# Altium PCB TIDA-010933-RevA.PcbDoc (part 1 of 9) (continued)
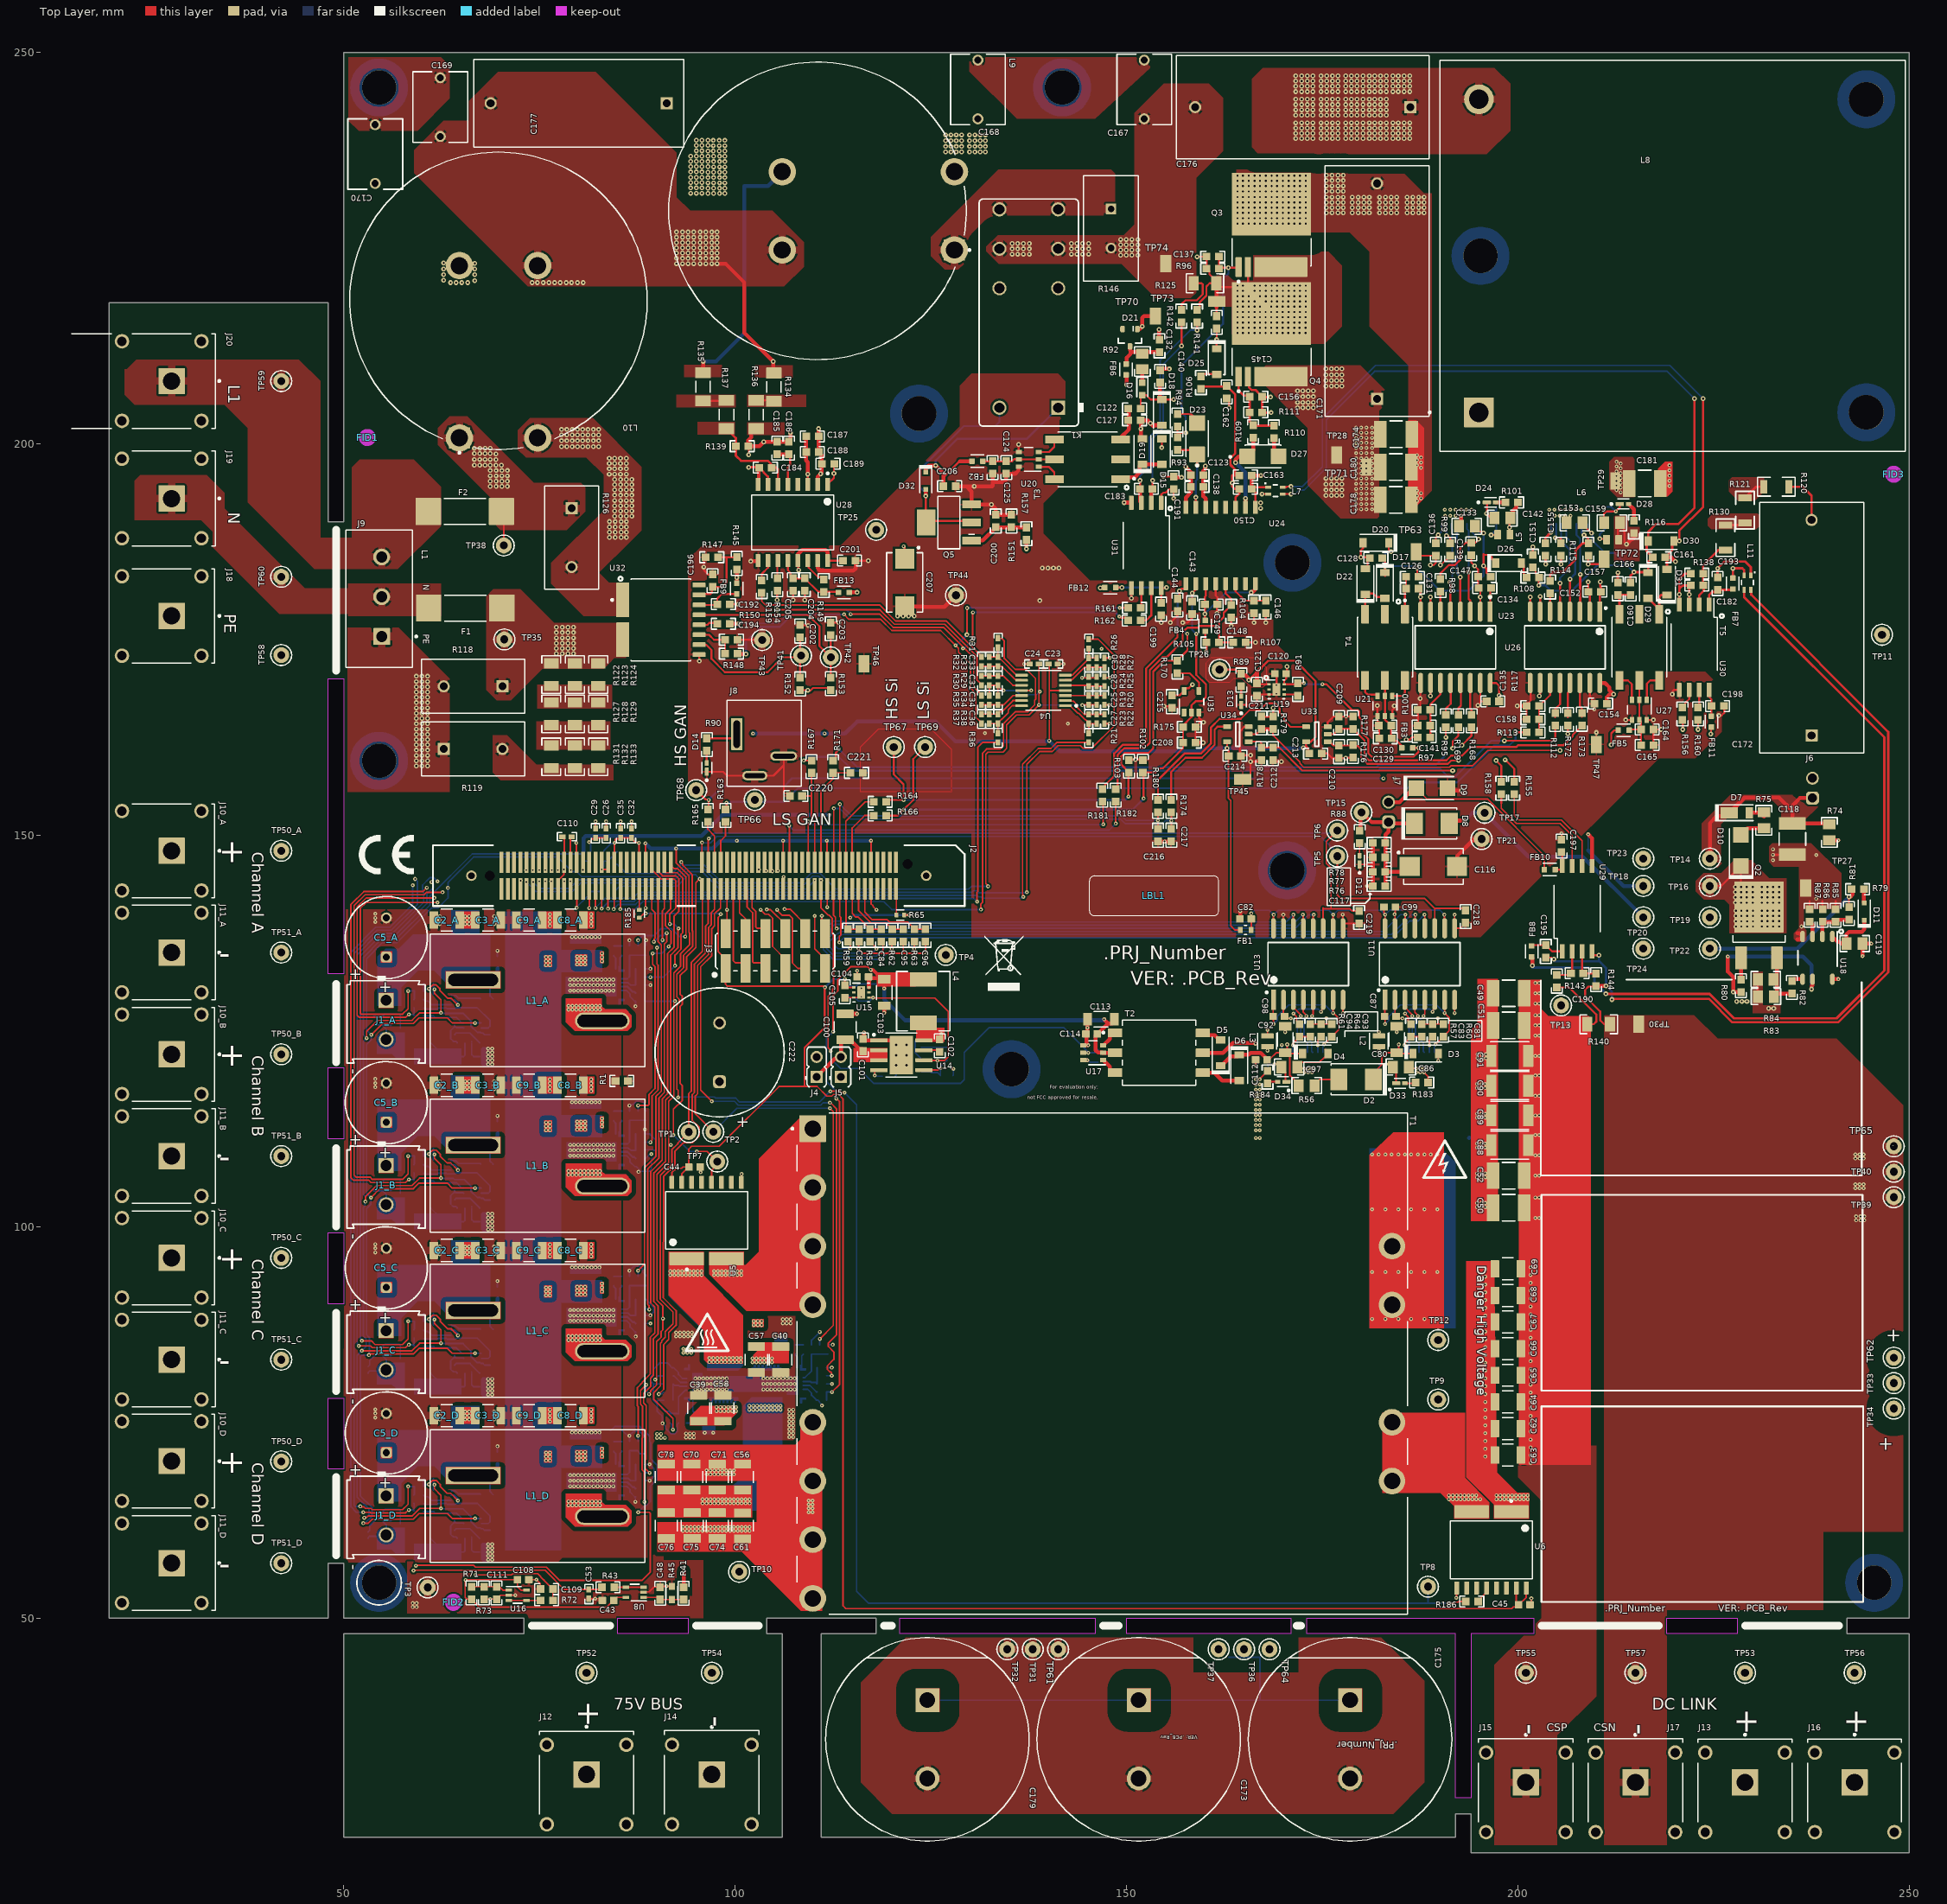
[diagram p0: Top Layer view]
## Classes and differential pairs (continued)
component class B: C2_B C3_B C4_B C5_B C6_B C7_B C8_B C9_B C10_B C11_B C12_B C13_B C14_B C15_B C16_B C17_B C18_B C19_B C20_B C21_B C22_B D1_B J1_B J10_B J11_B L1_B Q1_B R4_B R5_B R6_B R7_B R8_B R9_B R10_B R11_B R12_B R13_B R14_B R15_B R16_B R17_B R18_B TP50_B TP51_B U1_B U2_B U3_B
component class A: C2_A C3_A C4_A C5_A C6_A C7_A C8_A C9_A C10_A C11_A C12_A C13_A C14_A C15_A C16_A C17_A C18_A C19_A C20_A C21_A C22_A D1_A J1_A J10_A J11_A L1_A Q1_A R4_A R5_A R6_A R7_A R8_A R9_A R10_A R11_A R12_A R13_A R14_A R15_A R16_A R17_A R18_A TP50_A TP51_A U1_A U2_A U3_A

## Components (designator, comment, footprint, x,y, rotation, side; value= is the part's Value field where it differs from the comment)
C1 "GRM155R71E104KE14D" 0402 81.543,147.3 r90 bottom value=0.1uF
C2_A "C3225X7R2A106K250AC" FP-C3225X7R2A106K250AC_1210-MFG 63.15,139.15 r0 top value=10µF (schematic designator C2)
C2_B "C3225X7R2A106K250AC" FP-C3225X7R2A106K250AC_1210-MFG 63.15,118.05 r0 top value=10µF (schematic designator C2)
C2_C "C3225X7R2A106K250AC" FP-C3225X7R2A106K250AC_1210-MFG 63.15,96.95 r0 top value=10µF (schematic designator C2)
C2_D "C3225X7R2A106K250AC" FP-C3225X7R2A106K250AC_1210-MFG 63.15,75.85 r0 top value=10µF (schematic designator C2)
C3_A "C3225X7R2A106K250AC" FP-C3225X7R2A106K250AC_1210-MFG 68.414,139.15 r180 top value=10µF (schematic designator C3)
C3_B "C3225X7R2A106K250AC" FP-C3225X7R2A106K250AC_1210-MFG 68.414,118.05 r180 top value=10µF (schematic designator C3)
C3_C "C3225X7R2A106K250AC" FP-C3225X7R2A106K250AC_1210-MFG 68.414,96.95 r180 top value=10µF (schematic designator C3)
C3_D "C3225X7R2A106K250AC" FP-C3225X7R2A106K250AC_1210-MFG 68.414,75.85 r180 top value=10µF (schematic designator C3)
C4_A "GRM155R62A104KE14D" 0402 69.6,134 r90 bottom value=0.1uF (schematic designator C4)
C4_B "GRM155R62A104KE14D" 0402 69.6,112.9 r90 bottom value=0.1uF (schematic designator C4)
C4_C "GRM155R62A104KE14D" 0402 69.6,91.8 r90 bottom value=0.1uF (schematic designator C4)
C4_D "GRM155R62A104KE14D" 0402 69.6,70.7 r90 bottom value=0.1uF (schematic designator C4)
C5_A "860080775016" WCAP-ATLI_D10H16 55.425,136.925 r270 top locked (schematic designator C5)
C5_B "860080775016" WCAP-ATLI_D10H16 55.425,115.825 r270 top (schematic designator C5)
C5_C "860080775016" WCAP-ATLI_D10H16 55.425,94.725 r270 top (schematic designator C5)
C5_D "860080775016" WCAP-ATLI_D10H16 55.425,73.625 r270 top (schematic designator C5)
C6_A "GRM155R71E104KE14D" 0402 60.8,131.2 r180 bottom value=0.1uF (schematic designator C6)
C6_B "GRM155R71E104KE14D" 0402 60.8,110.1 r180 bottom value=0.1uF (schematic designator C6)
C6_C "GRM155R71E104KE14D" 0402 60.8,89 r180 bottom value=0.1uF (schematic designator C6)
C6_D "GRM155R71E104KE14D" 0402 60.8,67.9 r180 bottom value=0.1uF (schematic designator C6)
C7_A "GRM155R71E104KE14D" 0402 56.05,126.3 r270 bottom value=0.1uF (schematic designator C7)
C7_B "GRM155R71E104KE14D" 0402 56.05,105.2 r270 bottom value=0.1uF (schematic designator C7)
C7_C "GRM155R71E104KE14D" 0402 56.05,84.1 r270 bottom value=0.1uF (schematic designator C7)
C7_D "GRM155R71E104KE14D" 0402 56.05,63 r270 bottom value=0.1uF (schematic designator C7)
C8_A "C3225X7R2A106K250AC" FP-C3225X7R2A106K250AC_1210-MFG 78.943,139.15 r180 top value=10µF (schematic designator C8)
C8_B "C3225X7R2A106K250AC" FP-C3225X7R2A106K250AC_1210-MFG 78.943,118.05 r180 top value=10µF (schematic designator C8)
C8_C "C3225X7R2A106K250AC" FP-C3225X7R2A106K250AC_1210-MFG 78.943,96.95 r180 top value=10µF (schematic designator C8)
C8_D "C3225X7R2A106K250AC" FP-C3225X7R2A106K250AC_1210-MFG 78.943,75.85 r180 top value=10µF (schematic designator C8)
C9_A "C3225X7R2A106K250AC" FP-C3225X7R2A106K250AC_1210-MFG 73.679,139.15 r0 top value=10µF (schematic designator C9)
C9_B "C3225X7R2A106K250AC" FP-C3225X7R2A106K250AC_1210-MFG 73.679,118.05 r0 top value=10µF (schematic designator C9)
C9_C "C3225X7R2A106K250AC" FP-C3225X7R2A106K250AC_1210-MFG 73.679,96.95 r0 top value=10µF (schematic designator C9)
C9_D "C3225X7R2A106K250AC" FP-C3225X7R2A106K250AC_1210-MFG 73.679,75.85 r0 top value=10µF (schematic designator C9)
C10_A "GRM155R61E105KA12D" 0402 87.861,128.766 r180 bottom value=1uF (schematic designator C10)
C10_B "GRM155R61E105KA12D" 0402 87.861,107.666 r180 bottom value=1uF (schematic designator C10)
C10_C "GRM155R61E105KA12D" 0402 87.861,86.566 r180 bottom value=1uF (schematic designator C10)
C10_D "GRM155R61E105KA12D" 0402 87.861,65.466 r180 bottom value=1uF (schematic designator C10)
C11_A "GRM155R62A104KE14D" 0402 82.411,135.741 r90 bottom value=0.1uF (schematic designator C11)
C11_B "GRM155R62A104KE14D" 0402 82.411,114.641 r90 bottom value=0.1uF (schematic designator C11)
C11_C "GRM155R62A104KE14D" 0402 82.411,93.541 r90 bottom value=0.1uF (schematic designator C11)
C11_D "GRM155R62A104KE14D" 0402 82.411,72.441 r90 bottom value=0.1uF (schematic designator C11)
C12_A "GRM155R62A104KE14D" 0402 81.354,135.741 r90 bottom value=0.1uF (schematic designator C12)
C12_B "GRM155R62A104KE14D" 0402 81.354,114.641 r90 bottom value=0.1uF (schematic designator C12)
C12_C "GRM155R62A104KE14D" 0402 81.354,93.541 r90 bottom value=0.1uF (schematic designator C12)
C12_D "GRM155R62A104KE14D" 0402 81.354,72.441 r90 bottom value=0.1uF (schematic designator C12)
C13_A "GRM155R62A104KE14D" 0402 80.286,135.741 r90 bottom value=0.1uF (schematic designator C13)
C13_B "GRM155R62A104KE14D" 0402 80.286,114.641 r90 bottom value=0.1uF (schematic designator C13)
C13_C "GRM155R62A104KE14D" 0402 80.286,93.541 r90 bottom value=0.1uF (schematic designator C13)
C13_D "GRM155R62A104KE14D" 0402 80.286,72.441 r90 bottom value=0.1uF (schematic designator C13)
C14_A "GRM155R62A104KE14D" 0402 79.236,135.741 r90 bottom value=0.1uF (schematic designator C14)
C14_B "GRM155R62A104KE14D" 0402 79.236,114.641 r90 bottom value=0.1uF (schematic designator C14)
C14_C "GRM155R62A104KE14D" 0402 79.236,93.541 r90 bottom value=0.1uF (schematic designator C14)
C14_D "GRM155R62A104KE14D" 0402 79.236,72.441 r90 bottom value=0.1uF (schematic designator C14)
C15_A "GRM155R71E104KE14D" 0402 85.486,135.241 r270 bottom value=0.1uF (schematic designator C15)
C15_B "GRM155R71E104KE14D" 0402 85.486,114.141 r270 bottom value=0.1uF (schematic designator C15)
C15_C "GRM155R71E104KE14D" 0402 85.486,93.041 r270 bottom value=0.1uF (schematic designator C15)
C15_D "GRM155R71E104KE14D" 0402 85.486,71.941 r270 bottom value=0.1uF (schematic designator C15)
C16_A "GRM1555C1H102JA01D" 0402 65.175,128.55 r270 bottom value=1000pF (schematic designator C16)
C16_B "GRM1555C1H102JA01D" 0402 65.175,107.45 r270 bottom value=1000pF (schematic designator C16)
C16_C "GRM1555C1H102JA01D" 0402 65.175,86.35 r270 bottom value=1000pF (schematic designator C16)
C16_D "GRM1555C1H102JA01D" 0402 65.175,65.25 r270 bottom value=1000pF (schematic designator C16)
C17_A "GRM1555C1H301JA01D" 0402 59.6,130.1 r0 bottom value=300pF (schematic designator C17)
C17_B "GRM1555C1H301JA01D" 0402 59.6,109 r0 bottom value=300pF (schematic designator C17)
C17_C "GRM1555C1H301JA01D" 0402 59.6,87.9 r0 bottom value=300pF (schematic designator C17)
C17_D "GRM1555C1H301JA01D" 0402 59.6,66.8 r0 bottom value=300pF (schematic designator C17)
C18_A "CC0402JRNPO9BN220" 0402 86.511,135.266 r90 bottom value=22pF (schematic designator C18)
C18_B "CC0402JRNPO9BN220" 0402 86.511,114.166 r90 bottom value=22pF (schematic designator C18)
C18_C "CC0402JRNPO9BN220" 0402 86.511,93.066 r90 bottom value=22pF (schematic designator C18)
C18_D "CC0402JRNPO9BN220" 0402 86.511,71.966 r90 bottom value=22pF (schematic designator C18)
C19_A "GRM155R71E104KE14D" 0402 68.775,125.1 r90 bottom value=0.1uF (schematic designator C19)
C19_B "GRM155R71E104KE14D" 0402 68.775,104 r90 bottom value=0.1uF (schematic designator C19)
C19_C "GRM155R71E104KE14D" 0402 68.775,82.9 r90 bottom value=0.1uF (schematic designator C19)
C19_D "GRM155R71E104KE14D" 0402 68.775,61.8 r90 bottom value=0.1uF (schematic designator C19)
C20_A "CC0402JRNPO9BN220" 0402 87.861,130.841 r0 bottom value=22pF (schematic designator C20)
C20_B "CC0402JRNPO9BN220" 0402 87.861,109.741 r0 bottom value=22pF (schematic designator C20)
C20_C "CC0402JRNPO9BN220" 0402 87.861,88.641 r0 bottom value=22pF (schematic designator C20)
C20_D "CC0402JRNPO9BN220" 0402 87.861,67.541 r0 bottom value=22pF (schematic designator C20)
C21_A "GRM1555C1H301JA01D" 0402 59.6,128 r0 bottom value=300pF (schematic designator C21)
C21_B "GRM1555C1H301JA01D" 0402 59.6,106.9 r0 bottom value=300pF (schematic designator C21)
C21_C "GRM1555C1H301JA01D" 0402 59.6,85.8 r0 bottom value=300pF (schematic designator C21)
C21_D "GRM1555C1H301JA01D" 0402 59.6,64.7 r0 bottom value=300pF (schematic designator C21)
C22_A "GRM1555C1H102JA01D" 0402 64.245,125.115 r90 bottom value=1000pF (schematic designator C22)
C22_B "GRM1555C1H102JA01D" 0402 64.245,104.015 r90 bottom value=1000pF (schematic designator C22)
C22_C "GRM1555C1H102JA01D" 0402 64.245,82.915 r90 bottom value=1000pF (schematic designator C22)
C22_D "GRM1555C1H102JA01D" 0402 64.245,61.815 r90 bottom value=1000pF (schematic designator C22)
C23 "GRM155R71E104KE14D" 0402 140.6,171.863 r0 top value=0.1uF
C24 "GRM155R71E104KE14D" 0402 138.2,171.863 r180 top value=0.1uF
C25 "GRM1555C1H201JA01D" 0402 145.164,167.234 r270 top value=200pF
C26 "GRM1555C1H301JA01D" 0402 83.5,150.25 r270 top value=300pF
C27 "GRM1555C1H201JA01D" 0402 145.164,164.834 r90 top value=200pF
C28 "GRM1555C1H102FA01D" 0402 145.164,169.634 r270 top value=1000pF
C29 "GRM1555C1H301JA01D" 0402 82.143,150.25 r270 top value=300pF
C30 "GRM1555C1H102FA01D" 0402 145.164,172.034 r90 top value=1000pF
C31 "GRM1555C1H102FA01D" 0402 133.564,169.734 r90 top value=1000pF
C32 "GRM1555C1H301JA01D" 0402 86.75,150.25 r270 top value=300pF
C33 "GRM1555C1H102FA01D" 0402 133.564,172.163 r90 top value=1000pF
C34 "GRM1555C1H201JA01D" 0402 133.564,167.234 r90 top value=200pF
C35 "GRM1555C1H301JA01D" 0402 85.343,150.25 r270 top value=300pF
C36 "GRM1555C1H201JA01D" 0402 133.564,164.855 r90 top value=200pF
C37 "GRM1555C1H301JA01D" 0402 81.354,141.9 r270 bottom value=300pF
C38 "GRM1555C1H301JA01D" 0402 83.2,147.3 r90 bottom value=300pF
C39 "C3225X7R2A106K250AC" FP-C3225X7R2A106K250AC_1210-MFG 95.322,76.801 r270 top value=10µF
C40 "C3225X7R2A106K250AC" FP-C3225X7R2A106K250AC_1210-MFG 105.8,83 r90 top value=10µF
C41 "GRM155R62A104KE14D" 0402 96.1,74.9 r270 bottom value=0.1uF
C42 "GRM155R62A104KE14D" 0402 97.175,74.9 r270 bottom value=0.1uF
C43 "CL10B104KB8NNNC" FP-CL10B104KB8NNNC_0603-IPC_B 83.74,52.25 r180 top
C44 "CL10B104KB8NNNC" FP-CL10B104KB8NNNC_0603-IPC_B 94.8,107.6 r0 top
C45 "CL10B104KB8NNNC" FP-CL10B104KB8NNNC_0603-IPC_B 200.8,51.7 r0 top
C46 "GRM155R61E105KA12D" 0402 91.443,81.961 r0 bottom value=1uF
C47 "GRM155R71E104KE14D" 0402 93.793,75.5 r90 bottom value=0.1uF
C48 "CC0603JRNPO8BN102" 0603 90.4,53.15 r90 top value=1000pF
C49 "1812Y5000474KXTWS2" 1812_254 198.8,129.8 r0 top value=0.47uF
C50 "1812Y5000474KXTWS2" 1812_254 198.8,102.4 r0 top value=0.47uF
C51 "1812Y5000474KXTWS2" 1812_254 198.8,125.7 r0 top value=0.47uF
C52 "1812Y5000474KXTWS2" 1812_254 198.8,106.5 r0 top value=0.47uF
C53 "GRM1555C1H301JA01D" 0402 81.3,53.05 r270 top value=300pF
C54 "CC0402JRNPO9BN220" 0402 92.743,75.5 r270 bottom value=22pF
C55 "CC0402JRNPO9BN220" 0402 91.443,79.9 r180 bottom value=22pF
C56 "C3225C0G2A333J200AA" FP-C3225C0G2A333J200AA_1210-MFG 100.929,68 r270 top value=33nF
C57 "C3225X7R2A106K250AC" FP-C3225X7R2A106K250AC_1210-MFG 102.7,83 r90 top value=10µF
C58 "C3225X7R2A106K250AC" FP-C3225X7R2A106K250AC_1210-MFG 98.4,76.801 r270 top value=10µF
C59 "GRM155R62A104KE14D" 0402 105.316,84.9 r90 bottom value=0.1uF
C60 "GRM155R62A104KE14D" 0402 106.393,84.9 r90 bottom value=0.1uF
C61 "C3225C0G2A333J200AA" FP-C3225C0G2A333J200AA_1210-MFG 100.929,61.778 r90 top value=33nF
C62 "C3225C0G3A472J200AC" FP-C3225C0G3A472J200AC_1210-MFG 198.7,74.2 r0 top value=4.7nF
C63 "C3225C0G3A472J200AC" FP-C3225C0G3A472J200AC_1210-MFG 198.7,70.8 r0 top value=4.7nF
C64 "C3225C0G3A472J200AC" FP-C3225C0G3A472J200AC_1210-MFG 198.7,77.6 r0 top value=4.7nF
C65 "C3225C0G3A472J200AC" FP-C3225C0G3A472J200AC_1210-MFG 198.7,81 r0 top value=4.7nF
C66 "C3225C0G3A472J200AC" FP-C3225C0G3A472J200AC_1210-MFG 198.7,84.4 r0 top value=4.7nF
C67 "C3225C0G3A472J200AC" FP-C3225C0G3A472J200AC_1210-MFG 198.7,87.8 r0 top value=4.7nF
C68 "C3225C0G3A472J200AC" FP-C3225C0G3A472J200AC_1210-MFG 198.7,91.2 r0 top value=4.7nF
C69 "C3225C0G3A472J200AC" FP-C3225C0G3A472J200AC_1210-MFG 198.7,94.6 r0 top value=4.7nF
C70 "C3225C0G2A333J200AA" FP-C3225C0G2A333J200AA_1210-MFG 94.443,68 r270 top value=33nF
C71 "C3225C0G2A333J200AA" FP-C3225C0G2A333J200AA_1210-MFG 97.686,68 r270 top value=33nF
C72 "GRM155R61E105KA12D" 0402 111.05,77.839 r180 bottom value=1uF
C73 "GRM155R71E104KE14D" 0402 108.7,84.3 r270 bottom value=0.1uF
C74 "C3225C0G2A333J200AA" FP-C3225C0G2A333J200AA_1210-MFG 97.7,61.8 r90 top value=33nF
C75 "C3225C0G2A333J200AA" FP-C3225C0G2A333J200AA_1210-MFG 94.5,61.8 r90 top value=33nF
C76 "C3225C0G2A333J200AA" FP-C3225C0G2A333J200AA_1210-MFG 91.2,61.8 r90 top value=33nF
C77 "CC0402JRNPO9BN220" 0402 109.75,84.3 r90 bottom value=22pF
C78 "C3225C0G2A333J200AA" FP-C3225C0G2A333J200AA_1210-MFG 91.2,68 r270 top value=33nF
C79 "CC0402JRNPO9BN220" 0402 111.05,79.9 r0 bottom value=22pF
C80 "TMK316AB7106KLHT" 1206_180 184.501,123.901 r90 top value=10uF
C81 "GRM188R71C224KA01D" 0603 190.451,125.075 r90 top value=0.22uF
C82 "CL10B104KB8NNNC" FP-CL10B104KB8NNNC_0603-IPC_B 165.2,139.3 r180 top
C83 "GRM1885C1H220JA01D" 0603 187.701,125.075 r90 top value=22pF
C84 "GRM1885C1H220JA01D" 0603 118.643,137.2 r270 top value=22pF
C85 "GRM1885C1H220JA01D" 0603 115.814,137.2 r270 top value=22pF
C86 "CGA4J3X7R1E225K125AB" 0805_HV 185.026,120.375 r0 top value=2.2uF
C87 "CL10B104KB8NNNC" FP-CL10B104KB8NNNC_0603-IPC_B 183.701,126.85 r0 top
C88 "C4532C0G2J473J320KA" FP-C4532C0G2J473J320KA_1812-MFG 198.95,110.4 r180 top value=47nF
C89 "C4532C0G2J473J320KA" FP-C4532C0G2J473J320KA_1812-MFG 198.95,114.2 r180 top value=47nF
C90 "C4532C0G2J473J320KA" FP-C4532C0G2J473J320KA_1812-MFG 198.95,118 r180 top value=47nF
C91 "C4532C0G2J473J320KA" FP-C4532C0G2J473J320KA_1812-MFG 198.95,121.8 r180 top value=47nF
C92 "TMK316AB7106KLHT" 1206_180 170.251,123.901 r90 top value=10uF
C93 "GRM188R71C224KA01D" 0603 176.201,125.05 r90 top value=0.22uF
C94 "GRM1885C1H220JA01D" 0603 173.451,125.075 r90 top value=22pF
C95 "GRM1885C1H220JA01D" 0603 121.471,137.2 r270 top value=22pF
C96 "GRM1885C1H220JA01D" 0603 124.3,137.2 r270 top value=22pF
C97 "CGA4J3X7R1E225K125AB" 0805_HV 170.776,120.375 r0 top value=2.2uF
C98 "CL10B104KB8NNNC" FP-CL10B104KB8NNNC_0603-IPC_B 169.451,126.85 r0 top
C99 "CL10B104KB8NNNC" FP-CL10B104KB8NNNC_0603-IPC_B 183.6,140.8 r0 top
C100 "C3225X7R2A225K230AB" FP-C3225X7R2A225K230AB_1210-MFG 114.02,125.505 r270 top value=2.2µF
C101 "GRM188R72A104KA35D" 0603 116.32,123.2 r90 top value=0.1uF
C102 "C0603C222K5RAC" 0603 126.12,123.1 r90 top value=2200pF
C103 "GRM31CR71A226KE15L" 1206_180 119.02,129.9 r270 top value=22uF
C104 "CL10B104KB8NNNC" FP-CL10B104KB8NNNC_0603-IPC_B 116.3,131.9 r0 top
C105 "885012206026" 0603 114,130 r270 top value=1uF
C106 "GRM188R72A122KA01D" 0603 123.77,123.7 r270 bottom value=1200pF
C107 "GRM1885C2A560JA01D" 0603 127.1,122.1 r270 bottom value=56pF
C108 "CL10B104KB8NNNC" FP-CL10B104KB8NNNC_0603-IPC_B 72.9,54.9 r0 top
C109 "GRM1885C1H301JA01D" 0603 75.9,53.7 r180 top value=300pF
C110 "GRM155R71E104KE14D" 0402 78.5,149.8 r180 top value=0.1uF
C111 "CC0603JRNPO8BN102" 0603 69.5,53.2 r270 top value=1000pF
C112 "CL10B104KB8NNNC" FP-CL10B104KB8NNNC_0603-IPC_B 167.2,121.3 r180 top
C113 "GRM31CR71A226KE15L" 1206_180 146.72,126.5 r180 top value=22uF
C114 "CL10B104KB8NNNC" FP-CL10B104KB8NNNC_0603-IPC_B 145.52,124.6 r180 top
C115 "GRM1885C1H301JA01D" 0603 146.32,121.8 r270 bottom value=300pF
C116 "TPSE477M010R0045" 7343-43 189.188,146 r0 top value=470uF
C117 "C0603X104K3RACTU" 0603 182.25,143.5 r180 top value=0.1uF
C118 "C1812W104KDRACTU" 1812_254 235.05,149.493 r270 top value=0.1uF
C119 "C2012X6S1H474K125AB" 0805_HV 243.007,136.147 r0 top value=0.47uF
C120 "CL10B104KB8NNNC" FP-CL10B104KB8NNNC_0603-IPC_B 169.647,170.613 r0 top
C121 "885012206026" 0603 166.647,168.613 r270 top value=1uF
C122 "GRM188R61E475KE11D" 0603 151,204.5 r180 top value=4.7uF
C123 "GRM188R61E106MA73D" 0603 159,196 r0 top value=10uF
C124 "GRM188R61E475KE11D" 0603 132.876,196.968 r270 top value=4.7uF
C125 "CGA3E3X8R1H104K080AE" 0603 134.623,196.968 r270 top value=0.1uF
C126 "GRM188R61E475KE11D" 0603 186.5,183 r180 top value=4.7uF
C127 "GRM188R61E475KE11D" 0603 151,203 r0 top value=4.7uF
C128 "GRM188R61E475KE11D" 0603 181.849,185.4 r180 top value=4.7uF
C129 "CGA3E3X8R1H104K080AE" 0603 183.045,162.371 r180 top value=0.1uF
C130 "GRM188R61E475KE11D" 0603 183,164 r180 top value=4.7uF
C131 "GRM188R61E475KE11D" 0603 186.5,181.5 r0 top value=4.7uF
C132 "GRM188R61E475KE11D" 0603 154.199,212.5 r90 top value=4.7uF
C133 "GRM219B31E106MA12" 0805_HV 193.465,189.447 r0 top value=10uF
C134 "06033C104JAT2A" 0603 195.765,181.565 r180 top value=0.1uF
C135 "06033C104JAT2A" 0603 196.788,167.083 r180 top value=0.1uF
C136 "06033C104JAT2A" 0603 189.5,186.5 r90 top value=0.1uF
C137 "C0603C221K5GACTU" 0603 161,223.9 r180 top value=220pF
C138 "06033C104JAT2A" 0603 159,194.5 r180 top value=0.1uF
C139 "C0603C221K5GACTU" 0603 194.024,186.565 r270 top value=220pF
C140 "GRM188R61E106MA73D" 0603 154.279,208.6 r90 top value=10uF
C141 "C0603C221K5GACTU" 0603 188,164 r180 top value=220pF
C142 "GRM21BR71E225KA73L" 0805_HV 198,190.5 r0 top value=2.2uF
C143 "C0603C221K5GACTU" 0603 158.37,179.034 r270 top value=220pF
C144 "C0603C221K5GACTU" 0603 156.5,179.397 r270 top value=220pF
C145 "GRM188R61E106MA73D" 0603 161.5,215.5 r270 top value=10uF
C146 "C0603X332K5RACTU" 0603 167.765,179.145 r270 top value=3300pF
C147 "GRM188R61E475KE11D" 0603 195.693,183 r180 top value=4.7uF
C148 "C0603X332K5RACTU" 0603 163.36,178.597 r270 top value=3300pF
C149 "CGA3E3X8R1H104K080AE" 0603 160.793,179.46 r0 top value=0.1uF
C150 "06033C104JAT2A" 0603 165.175,194.24 r180 top value=0.1uF
C151 "GRM188R61E475KE11D" 0603 201.9,185 r90 top value=4.7uF
C152 "06033C104JAT2A" 0603 209.809,181.103 r0 top value=0.1uF
C153 "GRM219B31E106MA12" 0805_HV 207.23,189.9 r0 top value=10uF
C154 "06033C104JAT2A" 0603 210.553,166.801 r180 top value=0.1uF
C155 "06033C104JAT2A" 0603 203.5,186.5 r90 top value=0.1uF
C156 "C0603C221K5GACTU" 0603 166.5,206 r0 top value=220pF
C157 "C0603C221K5GACTU" 0603 209,186.5 r270 top value=220pF
C158 "C0603C221K5GACTU" 0603 201.897,164.795 r180 top value=220pF
C159 "GRM21BR71E225KA73L" 0805_HV 212,189.9 r0 top value=2.2uF
C160 "GRM188R61E475KE11D" 0603 214.375,181.456 r270 top value=4.7uF
C161 "GRM188R61E106MA73D" 0603 218,185.5 r180 top value=10uF
C162 "GRM188R61E106MA73D" 0603 162.779,206.6 r90 top value=10uF
C163 "GRM188R61E106MA73D" 0603 165.175,195.95 r180 top value=10uF
C164 "CGA3E3X8R1H104K080AE" 0603 216.5,163.5 r0 top value=0.1uF
C165 "GRM188R61E475KE11D" 0603 216.5,161.5 r0 top value=4.7uF
C166 "GRM188R61E475KE11D" 0603 212.75,181.47 r90 top value=4.7uF
C167 "DE6E3KJ222MN3A" E_900x700x900 152.25,245.25 r270 top value=2200pF
C168 "DE6E3KJ222MN3A" E_900x700x900 131,245.25 r90 top value=2200pF
C169 "DE6E3KJ222MN3A" E_900x700x900 62.313,243 r270 top value=2200pF
C170 "DE6E3KJ222MN3A" E_900x700x900 54,237 r90 top value=2200pF
C171 "C4AQHBU4560P1XJ" FP-C4AQHBU4560P1XJ_RADIAL-MFG 182,219.5 r90 top value=5.6µF
C172 "C4AQHBU4560P1XJ" FP-C4AQHBU4560P1XJ_RADIAL-MFG 237.5,176.5 r90 top value=5.6µF
C173 "ALC80A121BD450" FP-ALC80A121BD450_RADIAL-MFG 151.543,34.5 r270 top value=120µF
C174 "C1812W104KDRACTU" 1812_254 184.428,201.213 r180 top value=0.1uF
C175 "ALC80A121BD450" FP-ALC80A121BD450_RADIAL-MFG 178.543,34.5 r270 top value=120µF
C176 "F863FL225K310Z" FP-F863FL225K310Z_RADIAL-MFG 172.5,243 r180 top value=2.2µF
C177 "F863DS105K310Z" FP-F863DS105K310Z_RADIAL-MFG 80,243.5 r180 top value=1µF
C178 "C1812W104KDRACTU" 1812_254 184.4,192.83 r180 top value=0.1uF
C179 "ALC80A121BD450" FP-ALC80A121BD450_RADIAL-MFG 124.543,34.5 r270 top value=120µF
C180 "C1812W104KDRACTU" 1812_254 184.4,197.015 r180 top value=0.1uF
C181 "C1812W104KDRACTU" 1812_254 216.191,194.925 r180 top value=0.1uF
C182 "GRM1885C2A102JA01D" 0603 222.85,181.897 r180 top value=1000pF
C183 "CGA3E2X7R2A103K080AA" 0603 152.5,194.24 r180 top value=0.01uF
C184 "GRM1885C2A102JA01D" 0603 103.854,196.941 r0 top value=1000pF
C185 "C0603X102K5RACTU" 0603 105.354,199.441 r270 top value=1000pF
C186 "C0603X104K3RACTU" 0603 106.854,199.441 r270 top value=0.1uF
C187 "C0603X104K3RACTU" 0603 109.854,200.941 r180 top value=0.1uF
C188 "C0603X102K5RACTU" 0603 109.854,198.941 r180 top value=1000pF
C189 "EMK107BB7225KA-T" 0603 111.854,197.441 r0 top value=2.2uF
C190 "CGA3E2X7R2A103K080AA" 0603 207.55,132.35 r180 top value=0.01uF
C191 "06033C104JAT2A" 0603 156,195 r270 top value=0.1uF
C192 "C0603X104K3RACTU" 0603 98.5,179.5 r180 top value=0.1uF
C193 "06033C104JAT2A" 0603 225.5,182.136 r90 top value=0.1uF
C194 "C0603C221K5GACTU" 0603 99.5,174.96 r180 top value=220pF
C195 "06033C104JAT2A" 0603 203.55,135.15 r270 top value=0.1uF
C196 "C0603C221K5GACTU" 0603 97.1,182.5 r90 top value=220pF
C197 "06033C104JAT2A" 0603 205.55,148.6 r90 top value=0.1uF
C198 "06033C104JAT2A" 0603 225.5,166.5 r0 top value=0.1uF
C199 "06033C104JAT2A" 0603 154.405,178.864 r270 top value=0.1uF
C200 "C0603C102J5RACAUTO" 0603 133.283,190.129 r90 top value=1000pF
C201 "C0603X104K3RACTU" 0603 114.579,185.066 r0 top value=0.1uF
C202 "C0603C221K5GACTU" 0603 108.281,176.067 r90 top value=220pF
C203 "C0603C221K5GACTU" 0603 112.196,176.352 r90 top value=220pF
C204 "C0603X102K5RACTU" 0603 108.879,182 r270 top value=1000pF
C205 "EMK107BB7225KA-T" 0603 107.379,182 r270 top value=2.2uF
C206 "06033C104JAT2A" 0603 127.375,194.575 r0 top value=0.1uF
C207 "TPSE477M010R0045" 7343-43 121.642,182.279 r270 top value=470uF
C208 "C0603C221K5GACTU" 0603 158.008,161.821 r0 top value=220pF
C209 "C0603C221K5GACTU" 0603 177.124,164.367 r90 top value=220pF
C210 "C0603C221K5GACTU" 0603 177.124,160.663 r270 top value=220pF
C211 "C0603C221K5GACTU" 0603 167.205,164.342 r90 top value=220pF
C212 "C0603C221K5GACTU" 0603 168.705,160.399 r270 top value=220pF
C213 "06033C104JAT2A" 0603 174.132,160.421 r0 top value=0.1uF
C214 "06033C104JAT2A" 0603 163.828,160.124 r0 top value=0.1uF
C215 "06033C104JAT2A" 0603 155.793,167.052 r270 top value=0.1uF
C216 "C0603C221K5GACTU" 0603 154,150 r270 top value=220pF
C217 "C0603C221K5GACTU" 0603 155.7,150 r270 top value=220pF
C218 "GRM1885C1H220JA01D" 0603 193.3,139.6 r270 top value=22pF
C219 "GRM1885C1H220JA01D" 0603 179.7,139.5 r270 top value=22pF
C220 "GRM1885C1H220JA01D" 0603 107.75,155 r180 top value=22pF
C221 "GRM1885C1H220JA01D" 0603 115.5,157.95 r180 top value=22pF
C222 "EEUFS2A391" WCAP-ATUL_D16H25 98,122.25 r270 top
D1_A "BZT52C12T-TP" SOD-523 53.8,126.2 r270 bottom value=12V (schematic designator D1)
D1_B "BZT52C12T-TP" SOD-523 53.8,105.1 r270 bottom value=12V (schematic designator D1)
D1_C "BZT52C12T-TP" SOD-523 53.1,81.8 r270 bottom value=12V (schematic designator D1)
D1_D "BZT52C12T-TP" SOD-523 53.1,60.7 r270 bottom value=12V (schematic designator D1)
D2 "GB01SLT06-214" SMB 179.3,118.8 r180 top value=650V
D3 "BZT52C16-7-F" SOD-123 188.201,122.1 r0 top value=16V
D4 "BZT52C16-7-F" SOD-123 174.101,122.1 r0 top value=16V
D5 "1N5819HW-7-F" SOD-123 162,122.2 r90 top value=40V
D6 "1N5819HW-7-F" SOD-123 164.4,120.3 r270 top value=40V
D7 "DFLU1400-7" PowerDI123 228.275,152.856 r0 top value=400V
D8 "B340LB-13-F" SMB 189,151.5 r0 top value=40V
D9 "SMAZ5V6-13-F" SMA 189,156 r0 top value=5.6V
D10 "SMAJ120A" SMA 228.475,148.05 r90 top value=120V
D11 "BAS20HT1G" SOD-323 244.246,140.215 r90 top value=200V
D12 "KG DELLS1.22-JGKH-24" "FP-KG DELLS1.22-JGKH-24_0603-MFG" 179.767,146.728 r90 top
D13 "KG DELLS1.22-JGKH-24" "FP-KG DELLS1.22-JGKH-24_0603-MFG" 164.647,167.113 r90 top
D14 "KG DELLS1.22-JGKH-24" "FP-KG DELLS1.22-JGKH-24_0603-MFG" 96.36,158.567 r90 top
D15 "MBR0520LT1G" SOD-123 154.5,199 r270 top value=20V
D16 "BR1111C-TR" 1111C_Red 152,207 r90 top value=Red
D17 "MBR0520LT1G" SOD-123 183,181.897 r270 top value=20V
D18 "MMSZ4703T1G" SOD-123 154.5,204 r270 top value=16V
D19 "MBR0520LT1G" SOD-123 152,199 r90 top value=20V
D20 "MMSZ4703T1G" SOD-123 181.849,187.365 r180 top value=16V
D21 "PLVA650A,215" SOT-23L 150.425,213.541 r270 top value=5V
D22 "MBR0520LT1G" SOD-123 180.5,182.4 r90 top value=20V
D23 "NRVBA340T3G" FP-NRVBA340T3G_SMA-MFG 159,200.637 r90 top
D24 "KG DELLS1.22-JGKH-24" "FP-KG DELLS1.22-JGKH-24_0603-MFG" 196.484,192.504 r0 top
D25 "UFM15PL-TP" SOD-123FL 161.5,210.5 r270 top value=600V
D26 "UFM15PL-TP" SOD-123FL 198.792,184.741 r0 top value=600V
D27 "NRVBA340T3G" FP-NRVBA340T3G_SMA-MFG 167.41,198.38 r0 top
D28 "KG DELLS1.22-JGKH-24" "FP-KG DELLS1.22-JGKH-24_0603-MFG" 213.479,192.305 r0 top
D29 "MBR0520LT1G" SOD-123 216.625,181.897 r270 top value=20V
D30 "MMSZ4703T1G" SOD-123 218.268,187.574 r0 top value=16V
D31 "MBR0520LT1G" SOD-123 219.025,182.308 r90 top value=20V
D32 "BAT165E6327HTSA1" SOD-323 124.323,195.252 r270 top value=40V
D33 "KG DELLS1.22-JGKH-24" "FP-KG DELLS1.22-JGKH-24_0603-MFG" 184.9,118.3 r0 top
D34 "KG DELLS1.22-JGKH-24" "FP-KG DELLS1.22-JGKH-24_0603-MFG" 169.945,118.5 r180 top
F1 "SF-3812F1500T-2" FP-SF-3812F1500T-2_3812-MFG 65.5,179 r180 top
F2 "SF-3812F1500T-2" FP-SF-3812F1500T-2_3812-MFG 65.45,191.35 r180 top
FB1 "MMZ1608B102CTA00" MMZ1608_095 165.2,137.9 r0 top value="1000 ohm"
FB2 "MH1608-601Y" FP-MH1608-601Y_0603-MFG 130.928,197.768 r180 top
FB3 "MH1608-601Y" FP-MH1608-601Y_0603-MFG 185.851,161.147 r0 top
FB4 "MH1608-601Y" FP-MH1608-601Y_0603-MFG 160.043,176.733 r90 top
FB5 "MH1608-601Y" FP-MH1608-601Y_0603-MFG 213.5,163.4 r180 top
FB6 "MH1608-601Y" FP-MH1608-601Y_0603-MFG 149.935,209.484 r270 top
FB7 "MH1608-601Y" FP-MH1608-601Y_0603-MFG 227.45,182.136 r270 top
FB8 "MH1608-601Y" FP-MH1608-601Y_0603-MFG 201.731,135.15 r90 top
FB9 "MH1608-601Y" FP-MH1608-601Y_0603-MFG 100.193,181.5 r90 top
FB10 "MH1608-601Y" FP-MH1608-601Y_0603-MFG 204.05,145.6 r0 top
FB11 "MH1608-601Y" FP-MH1608-601Y_0603-MFG 224.7,164.5 r90 top
FB12 "MH1608-601Y" FP-MH1608-601Y_0603-MFG 147.906,181.625 r0 top
FB13 "MH1608-601Y" FP-MH1608-601Y_0603-MFG 113.879,181.007 r180 top
FID1 "Fiducial" Fiducial6.4-20 53,200.8 r0 top
FID2 "Fiducial" Fiducial6.4-20 64,52 r0 top
FID3 "Fiducial" Fiducial6.4-20 248,196.1 r0 top
FID4 "Fiducial" Fiducial6.4-20 248,196.1 r180 bottom
FID5 "Fiducial" Fiducial6.4-20 53,200.8 r180 bottom
FID6 "Fiducial" Fiducial6.4-20 64,52 r180 bottom
J1_A "282856-2" TE_282856-2 55.4,126.4 r270 top locked (schematic designator J1)
J1_B "282856-2" TE_282856-2 55.4,105.3 r270 top (schematic designator J1)
J1_C "282856-2" TE_282856-2 55.4,84.2 r270 top (schematic designator J1)
J1_D "282856-2" TE_282856-2 55.4,63.1 r270 top (schematic designator J1)
J2 "HSEC8-160-01-L-DV-A-BL" controlCARD-120HSEC 93.5,144.8 r0 top locked
J3 "15912120" MOLEX_0015912120 105.1,135.2 r0 top
J4 "22284023" Molex_0022284023 110.4,120.4 r90 top
J5 "22284023" Molex_0022284023 113.5,120.4 r90 top
J6 "61300211121" WURTH_61300211121 237.615,156 r90 top
J7 "61300211121" WURTH_61300211121 183.461,152.95 r90 top
J8 "694106402002" FP-694106402002_CONN_PWR_10MM7_9MM0-MFG 103.693,161.75 r0 top
J9 "796636-3" FP-796636-3_HDR3-MFG 54.5,180.2 r90 top
J10_A "FCR7350R" FP-FCR7350R_CONN_BANANA_JACK-MFG 17,148 r0 top (schematic designator J10)
J10_B "FCR7350R" FP-FCR7350R_CONN_BANANA_JACK-MFG 17,122 r0 top (schematic designator J10)
J10_C "FCR7350R" FP-FCR7350R_CONN_BANANA_JACK-MFG 17,96 r0 top (schematic designator J10)
J10_D "FCR7350R" FP-FCR7350R_CONN_BANANA_JACK-MFG 17,70.037 r0 top (schematic designator J10)
J11_A "FCR7350B" FP-FCR7350B_CONN_BANANA_JACK-MFG 17,135 r0 top (schematic designator J11)
J11_B "FCR7350B" FP-FCR7350B_CONN_BANANA_JACK-MFG 17,109 r0 top (schematic designator J11)
J11_C "FCR7350B" FP-FCR7350B_CONN_BANANA_JACK-MFG 17,83 r0 top (schematic designator J11)
J11_D "FCR7350B" FP-FCR7350B_CONN_BANANA_JACK-MFG 17,57 r0 top (schematic designator J11)
J12 "FCR7350R" FP-FCR7350R_CONN_BANANA_JACK-MFG 81,19 r90 top